# Altium PCB SPEC-A7.PcbDoc (part 9 of 10) (continued)
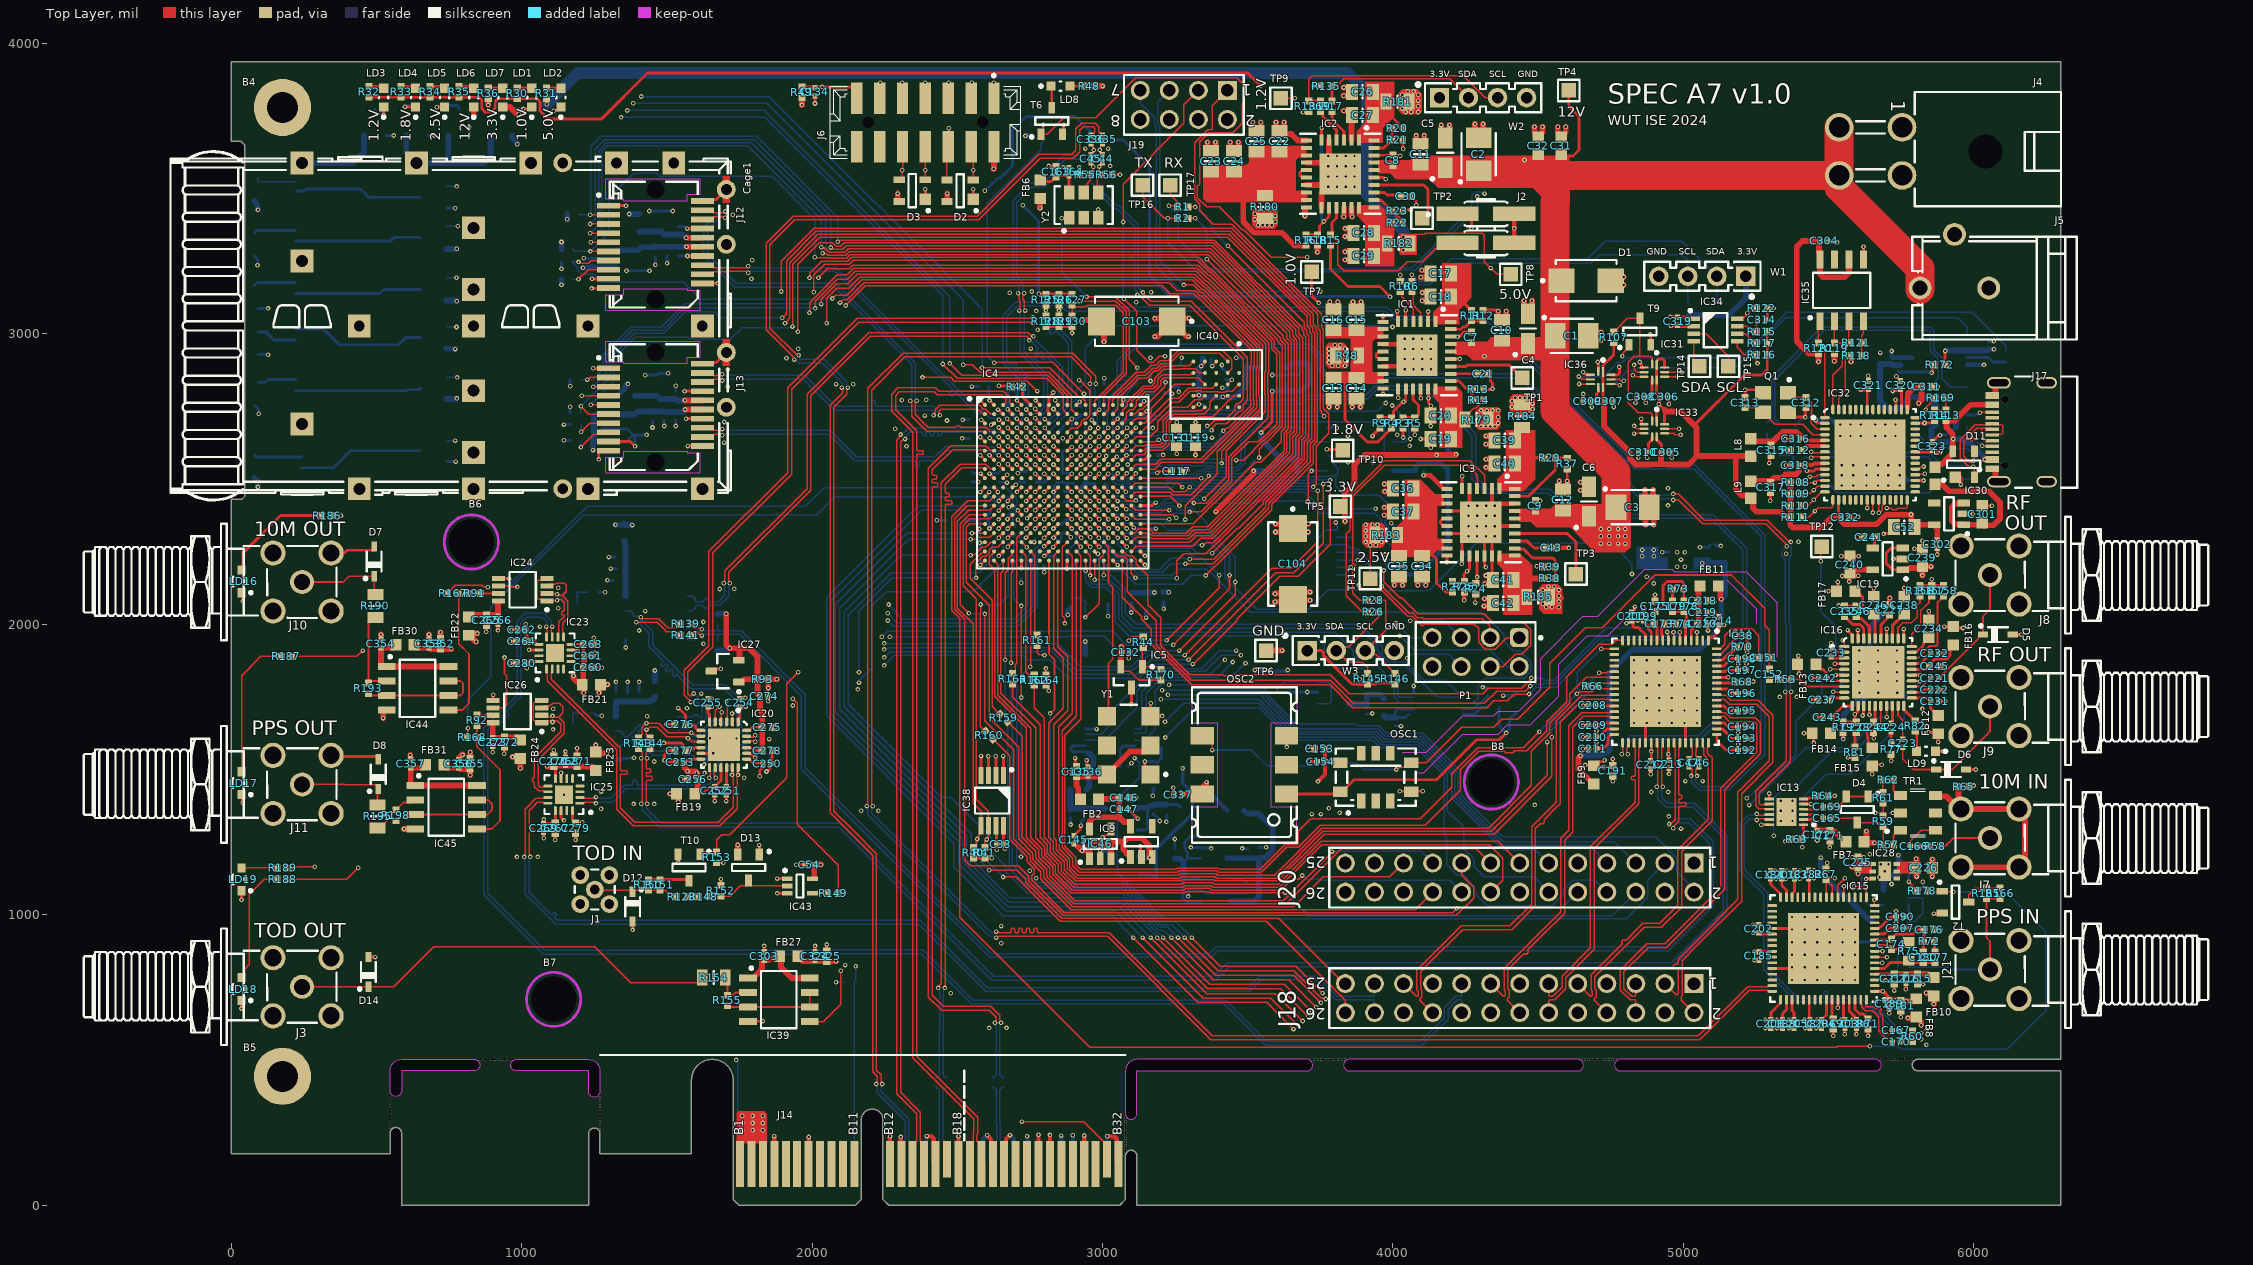
[diagram p0: Top Layer view]
## Nets (pads, with @x,y where several pads share a name; then routed paths per layer and width w, separated by ;. In a path a pad name is that pad's centre, name@x,y a point inside that pad or via, vN(x,y) a via of type N, cw(c..) or ccw(c..) an arc to the next point about the centre after c; other vN are vias at no path point) (continued)
  Bottom Layer w5: v1(1690.63,2672.19) 1693.54,2672.19 1697.94,2667.78 2060.96,2667.78 2096.9,2631.84 2118,2610.74 2135.59,2593.15 2152.75,2575.99 2422.45,2575.99 2457.61,2611.15 2622.98,2611.15 2635.98,2598.15 2654.65,2598.15 2671.08,2581.72 v1(2673.78,2581.72)
SFP1_RS: IC4.R13 J13.7 R103.2 | length 4640.9
  Top Layer w5: v1(1205.63,2662.56) 1235.31,2692.24 J13.7@1299.21,2692.24 ; v1(1906.72,3036.46) 1917.67,3047.41 1917.67,3050.79 1922.63,3055.75 1922.63,3245.31 2019.88,3342.56 ; 2019.88,3342.98 3435.86,3342.98 3715,3063.84 3715,3029.51 3723.43,3021.08 3723.43,3009.26 3729.94,3002.74 3729.94,2635.94 3715,2621 3715,2559.24 3572.46,2416.7 3572.46,2398.82 3381.62,2207.98 3286.42,2207.98 v1(3285.59,2208.81)
  Top Layer w10: IC4.R13@2972.99,2314 2972.99,2313.31 2987.36,2298.94 v1(2987.36,2298.25)
  L3 w5: v1(1205.63,2662.56) 1273.24,2662.56 1358.6,2747.92 1435.69,2747.92 1658.45,2970.69 1682.85,2970.69 1691.91,2979.75 1768.28,2979.75 1826.09,3037.56 1905.62,3037.56 v1(1906.72,3036.46)
  Bottom Layer w5: R103.2@1204.13,2687.56 1205.63,2686.06 v1(1205.63,2662.56) ; v1(2987.36,2298.25) 2987.36,2295.34 2993.8,2288.91 2993.8,2285.04 3049.5,2229.34 3080.6,2229.34 3131.06,2178.88 3146.28,2178.88 3146.77,2178.39 3205.41,2178.39 3235,2207.98 3284.75,2207.98 v1(3285.59,2208.81)
SFP_0.LED: IC4.G16 T7.1 | length 4015.3
  Top Layer w5: v1(2021.93,3193.33) 2052.59,3223.99 2128.58,3223.99 2139.94,3235.35 3330.3,3235.35 3364.37,3201.29 3368.54,3201.29 3591.81,2978.02 3591.81,2953.15 3609.37,2935.59 3609.37,2685.08 3557.09,2632.8 3554.08,2632.8 3486.53,2565.24 v1(3460.55,2565.24)
  Top Layer w10: IC4.G16@3067.48,2565.97 3067.48,2566.71 3082.34,2581.57 v1(3082.34,2582.31)
  L4 w5: v1(776.18,3507.56) 1216.85,3507.56 1342.52,3381.89 1649.61,3381.89 1668.94,3362.56 1852.7,3362.56 v1(2021.93,3193.33)
  Bottom Layer w5: T7.1@741.18,3507.56 v1(776.18,3507.56) ; v1(3082.34,2582.31) 3082.94,2581.72 3122.98,2581.72 3138.3,2566.4 3149.06,2566.4 3149.93,2565.52 3152.6,2565.52 3153.65,2564.48 3166.38,2564.48 3167.43,2565.52 3203.39,2565.52 3205.63,2567.77 3313.36,2567.77 3313.63,2567.49 3365.87,2567.49 3367.48,2569.1 3419.72,2569.1 3423.54,2565.28 3460.52,2565.28 v1(3460.55,2565.24)
SFP_1.LED: IC4.G15 T8.1 | length 4069.7
  Top Layer w5: v1(2049.74,3036.12) 2049.74,3123.08 2084.22,3157.56 2125.95,3157.56 2163.74,3195.35 3313.73,3195.35 3347.8,3161.29 3351.97,3161.29 3551.81,2961.45 3551.81,2876.11 3548.63,2872.92 3548.63,2787.35 3550.4,2785.57 3550.4,2736.51 3409.81,2595.91 v1(3409.81,2553.73)
  Top Layer w10: IC4.G15@3035.98,2565.97 3037.01,2565.97 3046.48,2575.44 3048.44,2575.44 v1(3049.54,2576.54)
  L4 w5: v1(771.18,2632.56) 1035.22,2896.59 1359.31,2896.59 1362.2,2893.7 1598.43,2893.7 1697.28,2992.56 1871.18,2992.56 1891.18,2972.56 1986.18,2972.56 v1(2049.74,3036.12)
  Bottom Layer w5: T8.1@741.46,2634.96 743.86,2632.56 v1(771.18,2632.56) ; v1(3049.54,2576.54) 3049.95,2576.54 3060.61,2565.88 3124.68,2565.88 3134.16,2556.4 3144.92,2556.4 3145.79,2555.52 3148.46,2555.52 3149.5,2554.48 3170.53,2554.48 3171.57,2555.52 3207.53,2555.52 3209.78,2557.77 3304.53,2557.77 3305.9,2556.4 3383.79,2556.4 3386.46,2553.73 v1(3409.81,2553.73)
SYNC_DATA0_N: IC4.A9 IC21.2 R85.1 | length 2153.6
  Top Layer w5: v1(1716.47,2141.73) 1716.47,2144.64 1712.6,2148.51 1712.6,2178.54 1996.06,2462 1996.06,2786.06 2200.87,2990.87 2739.13,2990.87 2745.2,2984.8 2745.2,2979.32 v1(2747.26,2977.26) ; v1@2837.8,2766.09 2847.01,2756.89 IC4.A9@2847.01,2754.95
  Bottom Layer w5: IC21.2@1570.97,2046.42 1587.55,2046.42 1596.86,2055.73 1596.86,2061.99 1599.79,2064.92 1622.03,2064.92 1624.96,2061.99 1624.96,2061.83 1633.88,2052.91 R85.1@1634.67,2052.91 1635.45,2052.91 1644.37,2061.83 1644.37,2061.99 1647.3,2064.92 1681.73,2064.92 1712.6,2095.79 v1@1712.6,2134.95 ; v1@2754.8,2975.2 2760,2970 2768.54,2961.46 2770.31,2959.69 2779.41,2950.59 2779.41,2946.44 2768.61,2935.64 2768.61,2932 2774.07,2926.54 2777.71,2926.54 2788.77,2937.59 2792.41,2937.59 2797.87,2932.13 2797.87,2928.49 2788.84,2919.45 2788.84,2915.81 2794.3,2910.35 2797.94,2910.35 2806.72,2919.13 2810.87,2919.13 2833.7,2896.3 2835.47,2894.53 2850.51,2879.49 2850.51,2782.95 2838.97,2771.41 v1(2836.77,2771.41)
SYNC_DATA0_P: IC4.B9 IC21.1 R85.2 | length 2156.1
  Top Layer w5: v1(1695.72,2141.73) 1695.72,2144.64 1699.6,2148.51 1699.6,2183.92 1983.06,2467.39 1983.06,2791.45 2195.49,3003.87 2744.51,3003.87 2754.4,2993.99 2759.88,2993.99 v1(2761.93,2991.93) ; v1(2831.26,2741.32) 2831.26,2740.26 2847.01,2724.51 IC4.B9@2847.01,2723.45
  Bottom Layer w5: IC21.1@1570.97,2096.42 1587.55,2096.42 1596.86,2087.11 1596.86,2080.85 1599.79,2077.92 1622.03,2077.92 1624.96,2080.85 1624.96,2081 1633.88,2089.92 R85.2@1634.67,2089.92 1635.45,2089.92 1644.37,2081 1644.37,2080.85 1647.3,2077.92 1676.34,2077.92 1699.6,2101.17 v1@1699.6,2134.95 ; v1@2763.99,2984.4 2863.51,2884.87 2863.51,2773.57 v1(2831.26,2741.32)
SYNC_DATA1_N: IC4.C8 IC22.2 R88.1 | length 2882.2
  Top Layer w5: v1(1592.85,1761.75) 1591.61,1761.75 1584.55,1754.69 1578.17,1754.69 1572.23,1760.63 1572.23,1836.01 1650.05,1913.83 1653.86,1917.64 1657.67,1921.45 1657.67,2245.58 1929.13,2517.05 1929.13,2809.13 2160,3040 2753.22,3040 2757.09,3036.13 v1(2760,3036.13) ; v1(2801.14,2706.54) 2801.14,2706.44 2815.51,2692.07 IC4.C8@2815.51,2691.95
  Bottom Layer w5: IC22.2@1535.97,1631.42 1545.28,1640.73 1575.34,1640.73 1578.6,1644 1590.75,1644 R88.1@1599.67,1652.91 1600.45,1652.91 1609.37,1661.83 1609.37,1661.99 1612.3,1664.92 1624.76,1664.92 1635.3,1675.46 1635.3,1719.3 1631.49,1723.11 1627.69,1726.92 1616.83,1737.77 v1(1592.85,1761.75) ; 2768.18,3038.18 2770,3040 2810,3040 2816.73,3033.27 2818.5,3031.5 2827.6,3022.4 2827.6,3018.25 2816.96,3007.61 2816.96,3003.97 2822.42,2998.51 2826.06,2998.51 2836.71,3009.15 2840.85,3009.15 2862.21,2987.79 2863.98,2986.02 2881.62,2968.38 2881.62,2768.36 2838.15,2724.88 2838.07,2724.88 2813.59,2700.4 2809.44,2700.4 2803.3,2706.54 v1(2801.14,2706.54)
SYNC_DATA1_P: IC4.D8 IC22.1 R88.2 | length 2884.7
  Top Layer w5: v1(1582.68,1732.28) 1582.68,1733.5 1574.49,1741.69 1572.79,1741.69 1559.23,1755.25 1559.23,1841.4 1644.67,1926.83 1644.67,2250.97 1916.13,2522.43 1916.13,2814.52 2154.62,3053 2753.22,3053 2757.09,3056.87 v1(2760,3056.87) ; v1(2801.14,2676.21) 2801.14,2675.52 2815.51,2661.15 IC4.D8@2815.51,2660.46
  Bottom Layer w5: IC22.1@1535.97,1681.42 1536.38,1681 1590.75,1681 R88.2@1599.67,1689.92 1600.45,1689.92 1609.37,1681 1609.37,1680.85 1612.3,1677.92 1619.37,1677.92 1622.3,1680.85 1622.3,1713.92 1603.83,1732.39 1582.78,1732.39 v1(1582.68,1732.28) ; 2768.18,3054.82 2770,3053 2815.38,3053 2894.62,2973.76 2894.62,2762.97 2843.53,2711.88 2843.45,2711.88 2818.97,2687.4 2810.76,2687.4 2801.14,2677.79 v1(2801.14,2676.21)
TOD_IN: IC4.P4 R149.2 | length 1919.2
  Top Layer w5: v3(1933.07,1744.09) 1948.82,1728.35 1948.82,1311.19 2090.5,1169.5 R149.2@2090.5,1074
  Top Layer w10: v1(2673.78,2329.75) IC4.P4@2689.53,2345.5
  L4 w5: v3(1933.07,1744.09) 1988.19,1799.21 v3(2161.42,1799.21)
  Bottom Layer w5: 2161.97,1807.09 2205,1850.12 2205,2062.98 2254.5,2112.48 2554.5,2112.48 2657.66,2215.64 2657.66,2313.63 v1(2673.78,2329.75)
TOD_OUT: IC4.V8 IC39.5 | length 2153.4
  Top Layer w6: IC39.5@1991.65,632.58 1993.1,631.13 2038.16,631.13 2098.43,691.4 v1(2098.43,807.09) ; IC4.V8@2815.51,2219.51 2815.51,1897.47 2834.91,1878.07 2834.91,1707.88 v1(2820,1692.98)
  L4 w6: v1(2098.43,807.09) 2405.51,807.09 v1(2749.57,1151.14)
  Bottom Layer w6: v1(2749.57,1151.14) 2749.57,1152.55 2820,1222.98 v1(2820,1692.98)
TX: IC4.R17 R2.2 | length 1618.4
  Top Layer w5: IC4.R17@3098.98,2314 3100.66,2315.68 3111.8,2315.68 3124.51,2328.39 3162.84,2328.39 3176.99,2314.25 3288.84,2314.25 3310.09,2335.5 3362.27,2335.5 3625,2598.23 3625,2658.28 3639.37,2672.66 3639.37,2966.03 3621.81,2983.59 3621.81,2993.87 v1(3359.02,3256.66) ; R2.2@3294.09,3397.64 v1(3318.9,3397.64)
  Bottom Layer w5: v1(3318.9,3397.64) 3359.02,3357.51 v1(3359.02,3256.66)
TXD_USB: IC36.4 R1.1 R171.2 TP17.1 | length 3918.6
  Top Layer w5: v1(3228.35,3440.95) 3253.15,3440.95 R1.1@3257.09,3437.01 3257.09,3455.51 3232.28,3480.32 TP17.1@3232.28,3511.81 ; v1(4640,2852.98) 4650,2842.98 IC36.4@4679.57,2842.98
  L4 w5: v1(4315,3482.98) 4419.63,3378.35 4423.81,3378.35 4432.81,3369.35 4432.81,3365.16 4639.63,3158.35 4639.63,2853.35 v1(4640,2852.98)
  Bottom Layer w5: v1(3228.35,3440.95) 3259.84,3409.45 3259.84,3326.77 3363.64,3222.98 4009.12,3222.98 4014.49,3228.35 4066.93,3228.35 4271.65,3433.07 4271.65,3476.37 4283.63,3488.35 4296.37,3488.35 4299.69,3485.03 4312.94,3485.03 v1(4315,3482.98) ; v1(4640,2852.98) 4640.37,2852.6 4724.28,2852.6 4773.02,2901.34 4790.11,2901.34 4807.12,2918.35 5199.38,2918.35 5355.85,3074.82 5994.09,3074.82 6110.24,2958.68 R171.2@6110.24,2939.76
USB_D_R_N: D11.3 IC32.7 J17.A7 J17.B7 R176.1 | length 1052.9
  Top Layer w5: v1@5446.78,2590.2 5471.05,2590.2 5474.39,2593.54 IC32.7@5487.06,2593.54 ; v1@5992.13,2557.68 5985.63,2557.68 5968.5,2574.8 5965.24,2578.07 5965.24,2630.59 5976.11,2641.47 5980.25,2641.47 5990.18,2631.54 5993.82,2631.54 5999.29,2637 5999.29,2640.64 5989.36,2650.57 5989.36,2654.71 5994.59,2659.94 6009.25,2674.6 6026.94,2674.6 ; v1(5997.49,2563.31) 5997.49,2566.22 6001.97,2570.69 D11.3@6001.97,2596.46 ; J17.B7@6063.39,2631.89 6060.04,2635.23 6033.25,2635.23 6027.56,2640.92 6027.56,2673.98 6026.94,2674.6 ; J17.A7@6063.39,2671.26 6060.04,2674.6 6026.94,2674.6
  Bottom Layer w5: R176.1@5416.14,2610.24 5416.14,2609.45 5429.46,2596.13 5437.94,2596.13 v1(5440,2594.08) 5442.91,2594.08 5446.78,2590.2 5846.16,2590.2 5876.93,2559.43 5910.12,2559.43 5912.62,2559.43 5915.55,2562.36 5915.55,2588.62 5918.12,2591.19 5925.85,2591.19 5928.42,2588.62 5928.42,2562.36 5931.35,2559.43 5964.57,2559.43 5990.71,2559.43 5994.58,2563.31 v1(5997.49,2563.31) v1@6000.4,2563.31
USB_D_R_P: D11.2 IC32.8 J17.A6 J17.B6 R174.1 | length 1042.9
  Top Layer w5: v1@5446.78,2577.2 5471.05,2577.2 5474.39,2573.86 IC32.8@5487.06,2573.86 ; D11.2@6001.97,2505.91 6001.97,2535.17 5997.49,2539.65 v1(5997.49,2542.56) 5997.24,2542.81 5982.12,2542.81 5952.24,2572.68 5952.24,2635.98 6003.86,2687.6 6060.04,2687.6 J17.B6@6063.39,2690.94 6066.79,2687.54 6096.46,2687.54 6099.39,2684.61 6099.39,2656.47 6096.46,2653.54 6065.35,2653.54 J17.A6@6063.39,2651.57 J17.A6@6060.04,2648.23
  Bottom Layer w5: R174.1@5416.14,2574.8 5417.62,2573.33 v1(5440,2573.33) 5442.91,2573.33 5446.78,2577.2 5840.78,2577.2 5871.54,2546.43 5990.71,2546.43 5994.58,2542.56 v1(5997.49,2542.56) v1@5997.71,2542.34
USB_TCK: IC31.9 IC32.12 R108.1 | length 787.5
  Top Layer w5: IC31.9@4935.43,2867.98 4969.12,2867.98 4969.49,2868.35 4994.63,2868.35 v1(4995,2867.98) ; R108.1@5405.57,2488.54 5406.13,2487.98 v1(5452.67,2487.98) 5459.81,2495.12 IC32.12@5487.06,2495.12
  L4 w5: v1(4995,2867.98) 5053.28,2867.98 5201.86,2719.4 5201.86,2685.84 5233.78,2653.93 5238.61,2653.93 5290.64,2601.9 5290.64,2595.64 5320.65,2565.63 5320.65,2557.96 5346.57,2532.04 5389.46,2532.04 5433.52,2487.98 v1(5452.67,2487.98)
USB_TDI_DO: IC31.8 IC32.13 R109.1 | length 788.5
  Top Layer w5: IC31.8@4935.43,2852.23 4935.81,2852.6 4979.63,2852.6 v1(4980,2852.98) ; R109.1@5405.57,2448.54 5435.57,2448.54 v1(5449.01,2461.99) 5462.46,2475.43 IC32.13@5487.06,2475.43
  L4 w5: v1(4980,2852.98) 4980.37,2852.6 5041.24,2852.6 5183.46,2710.39 5183.46,2690.11 5229.63,2643.93 5234.46,2643.93 5280.64,2597.75 5280.64,2591.5 5310.65,2561.49 5310.65,2553.82 5342.43,2522.04 5376.05,2522.04 5434.05,2464.05 5446.95,2464.05 v1(5449.01,2461.99)
USB_TDO_DI: IC32.14 IC33.9 R110.1 | length 718.2
  Top Layer w5: IC33.9@4935.43,2672.98 v1(4985,2672.98) ; R110.1@5405.57,2408.54 5428.23,2408.54 v1(5448.82,2429.13) 5475.43,2455.75 IC32.14@5487.06,2455.75
  L4 w5: v1(4985,2672.98) 5122.81,2672.98 5287.81,2507.98 5374.68,2507.98 5445.3,2437.36 5445.3,2435.56 5448.82,2432.04 v1(5448.82,2429.13)
USB_TMS: IC32.15 IC33.8 R111.1 | length 774
  Top Layer w5: IC33.8@4935.43,2657.23 4965.75,2657.23 4970,2652.98 4989.9,2652.98 v1(4990.03,2652.85) ; R111.1@5405.57,2368.54 5431.54,2368.54 5464.57,2401.57 5508.48,2401.57 5513.68,2406.78 5513.68,2427.25 IC32.15@5514.62,2428.19
  L4 w5: v1@4990,2652.98 5128.67,2652.98 5293.67,2487.98 5350.97,2487.98 5445.1,2393.85 5445.76,2393.85 5449.85,2389.76 v1(5452.76,2389.76)
VBUS: C300.2 C331.2 D11.4 IC29.12 J17.A4-B9 J17.B4-A9 L7.1 R113.1 | length 1189.6
  Top Layer w20: L7.1@5866.14,2541.34 5875.83,2551.02 5889.61,2551.02 5927.17,2588.58 D11.4@5927.17,2596.46 5927.17,2655.51 5905.51,2677.17 5905.51,2699.24 5904.09,2700.65 R113.1@5903.82,2700.65 5905.24,2702.07 5934.36,2702.07 5988.19,2755.91 J17.B4-A9@6063.39,2755.91 ; v1(6037.18,2567.27) 6063.04,2567.27 J17.A4-B9@6063.39,2566.93
  Bottom Layer w20: IC29.12@5746.93,2893.01 5719.19,2893.01 C331.2@5716.54,2895.67 C300.2@5677.17,2895.67 5677.17,2767.72 5704.72,2740.16 5740.16,2740.16 5783.46,2783.46 5838.58,2783.46 5870.08,2751.97 5870.08,2688.98 5854.33,2673.23 5854.33,2639.45 5866.05,2627.74 5919.07,2627.74 v1(5929.13,2637.8) 5956.69,2637.8 5970.69,2623.8 5987.56,2623.8 6037.18,2574.18 v1(6037.18,2567.27)
VCCADC: C105.2 C106.2 IC4.J10 L2.1 | length 130.6
  Top Layer w10: IC4.J10@2878.5,2502.98 v1(2894.25,2518.73)
  Bottom Layer w10: L2.1@2863.57,2596.11 2862.79,2595.33 2862.79,2520.21 2863.03,2519.97 2893.01,2519.97 v1(2894.25,2518.73)
VCCBRAM: C17.2 C18.2 IC1.1 IC1.32 R11.2 | length 51.5
  Top Layer w10: 4235,3117.98 4235,3115.69 4269.21,3081.48 R11.2@4270,3081.48
VTT: C274.2 C275.2 C276.2 C277.2 C278.2 C279.2 C280.2 IC20.7 IC20.10 IC20.21 IC20.24 IC23.16 IC25.16 IC27.1 IC27.2 R86.2 R87.2 R89.2 R90.2 R93.1 | length 2862.4
  Top Layer w10: v1(1017.8,1848.66) C280.2@1017.8,1866.38 1023.19,1871.77 1059.88,1871.77 IC23.16@1059.96,1871.85 ; IC25.16@1175.2,1358.27 1175.2,1326.57 C279.2@1185.67,1316.1 1187.23,1317.66 1207.29,1317.66 v1(1208.39,1318.76) ; v1(1489.67,1591.42) 1549.67,1591.42 1556.54,1584.55 1556.54,1572.41 C277.2@1563.74,1565.2 1569.26,1570.72 1590.95,1570.72 1595.59,1575.36 IC20.10@1617.29,1575.36 ; v1(1539.67,1711.42) 1563.74,1687.34 C276.2@1563.74,1655.2 1590.95,1655.2 1598.02,1648.13 1598.02,1644.33 1607.93,1634.42 IC20.7@1617.29,1634.42 ; IC20.21@1774.77,1575.36 1775.11,1575.02 1791.07,1575.02 1800.88,1565.2 C278.2@1828.31,1565.2 ; IC20.24@1774.77,1634.42 1785.1,1634.42 1795.89,1645.2 C275.2@1828.31,1645.2
  Top Layer w20: v1(1704.67,2036.42) 1704.67,1929.19 v1(1716.54,1917.32) 1750,1917.32 ; IC27.1@1748.03,1801.18 1755.91,1801.18 1765.75,1811.02 1811.42,1811.02 R93.1@1812.2,1810.24 ; IC27.2@1748.03,1875.98 1748.19,1875.98 1750,1877.8 1750,1917.32 ; C278.2@1828.31,1565.2 C275.2@1828.31,1645.2 1828.31,1695.31 1820.87,1702.76 C274.2@1820.87,1751.97 1812.2,1760.63 R93.1@1812.2,1810.24 ; 1750,1917.32 1783.46,1917.32 1812.2,1888.58 R93.1@1812.2,1811.02 R93.1@1812.2,1810.24
  L3 w20: v1(1489.67,1591.42) 1525.08,1626.83 1525.08,1696.83 v1(1539.67,1711.42) 1539.67,1806.42 1650.57,1917.32 v1(1716.54,1917.32)
  L4 w20: v1(1017.8,1848.66) 1038.9,1848.66 1296.14,1591.42 ; v1(1208.39,1318.76) 1208.39,1503.66 1296.14,1591.42 ; v1(1628.06,1517.24) 1563.85,1517.24 v1(1489.67,1591.42) 1296.14,1591.42
  Bottom Layer w10: v1@1629.16,1516.14 v1(1628.06,1517.24) 1628.06,1518.79 1629.67,1520.4 1629.67,1522.13 1638.17,1530.63 R90.2@1638.17,1531.42 R89.2@1638.17,1581.42
  Bottom Layer w20: R87.2@1674.67,1907.91 1676.08,1909.33 1708.54,1909.33 v1(1716.54,1917.32) ; R86.2@1674.67,2034.92 1676.08,2036.34 1704.59,2036.34 v1(1704.67,2036.42)
VUSB_PRESENT: IC32.11 R169.2 | length 1132.1
  Top Layer w5: v1(5434.68,2508.56) 5456.25,2508.56 5462.5,2514.8 IC32.11@5487.06,2514.8 ; v1(5833.82,2739.16) 5835.88,2741.22 5835.88,2747.29 5867.32,2778.74 R169.2@5867.32,2779.53
  Bottom Layer w5: v1(5434.68,2508.56) 5475.69,2508.56 5531.5,2452.76 5846.46,2452.76 5893.7,2500 5988.19,2500 6019.69,2531.5 6019.69,2564 6016.76,2566.93 6015.61,2566.93 5976.24,2606.3 5909.45,2606.3 5905.51,2610.24 5850.39,2610.24 5803.15,2657.48 5803.15,2688.98 5833.82,2719.65 v1(5833.82,2739.16)
pads on no net: B4.1 B5.1 B6.1 B7.1 B8.1 IC4.B12 IC4.C9 IC4.C11 IC4.C12 IC4.C14 IC4.D9 IC4.D11 IC4.H16 IC4.J4 IC4.J5 IC4.J6 IC4.K3 IC4.L5 IC4.M5 IC4.R7 IC4.T7 IC4.U7 IC4.V7 IC8.4 IC9.4 IC11.4 IC12.4 IC14.2 IC14.13 IC14.14 IC14.15 IC14.18 IC14.19 IC14.20 IC15.2 IC15.13 IC15.14 IC15.15 IC15.18 IC15.19 IC15.20 IC15.25 IC15.26 IC15.28 IC15.29 IC15.33 IC15.34 IC15.35 IC15.36 IC15.39 IC15.40 IC15.42 IC15.43 IC15.45 IC15.46 IC15.52 IC15.53 IC15.55 IC15.56 IC18.4 IC23.3 IC23.4 IC23.5 IC23.6 IC23.15 IC23.17 IC25.3 IC25.4 IC25.5 IC25.6 IC25.15 IC25.17 IC28.4 IC29.2 IC29.6 IC29.7 IC29.10 IC29.14 IC29.15 IC29.16 IC30.4 IC32.17 IC32.18 IC32.19 IC32.20 IC32.25 IC32.26 IC32.27 IC32.29 IC32.30 IC32.34 IC32.35 IC32.37 IC32.38 IC32.39 IC32.40 IC32.42 IC32.46 IC32.47 IC32.48 IC32.49 IC32.51 IC32.52 IC32.53 IC32.54 IC35.7 IC37.2 IC37.3 IC37.5 IC37.6 IC37.7 IC40.A2 IC40.A5 IC40.B5 IC40.C2 IC40.C5 IC41.4 J4.5 J6.12 J6.14 J6.15 J6.16 J12.MTG1 J12.MTG2 J13.MTG1 J13.MTG2 J14.A5 J14.A6 J14.A7 J14.A8 J14.A9 J14.A10 J14.A19 J14.A25 J14.A26 J14.A29 J14.A30 J14.A32 J14.B5 J14.B6 J14.B8 J14.B9 J14.B10 J14.B11 J14.B17 J14.B23 J14.B24 J14.B27 J14.B28 J14.B30 J17. J17.A8 J17.B8 LD10.3 LD11.3 LD12.3 LD13.3 LD14.3 LD15.3 LD16.3 LD17.3 LD18.3 LD19.3 OSC1.1 OSC1.2 OSC1.3 OSC1.6 OSC1.7 OSC1.8 OSC2.2 OSC2.5 TR1.5 Y1.5 Y2.2
copper on no net:
  other v2: 1145.67,1413.39

## Polygon pours and split planes (outlines as drawn)
P3V3 on L3 "NONET_L-01_P-001" (solid, pour order 17): 55.12,3917.32 6279.53,3917.32 6279.53,523.62 6275.59,527.56 5771.63,527.56 5771.63,570.84 5905.51,704.72 5905.51,960.63 5677.17,1188.98 5279.53,1188.98 5181.1,1090.55 5181.1,645.67 5259.84,566.93 5771.63,566.93 5771.63,527.56 19.68,527.56 19.68,1350.39 4417.32,1350.39 4551.18,1484.25 5165.35,1484.25 5244.09,1562.99 5244.09,1787.4 5370.08,1787.4 5370.08,1637.8 5547.24,1460.63 5767.72,1460.63 5988.19,1681.1 5988.19,1968.5 5722.17,2234.53 5543.75,2234.53 5543.75,2224.86 5370.08,2051.18 5370.08,1787.4 5244.09,1787.4 5235,1796.5 5235,1957.91 5149.61,2043.31 4759.84,2043.31 4631.89,1915.35 4614.17,1933.07 4614.17,2220.47 4677.17,2283.46 4677.17,2850.39 4437.01,3090.55 3185.04,3090.55 2866.14,2771.65 2866.14,2692.91 2905,2654.06 2905,2335.16 2929.13,2311.02 3015.75,2311.02 3137.8,2433.07 3842.52,2433.07 3858.27,2417.32 3858.27,2259.84 3980.31,2137.8 4614.17,2137.8 4614.17,1897.64 4614.17,1515.75 4633.86,1496.06 4633.86,1476.38 4566.93,1476.38 4440.94,1350.39 55.12,1350.39
P2V5 on L3 "NetC18_2" (solid, remove dead copper, pour order 2): 4169.3,2421.25 3905.5,2421.25 3866.14,2381.89 3866.14,2259.84 3980.32,2145.67 4531.5,2145.67 4673.23,2287.4 4673.23,2842.52 4432.77,3082.98 3190,3082.98 2875,2767.98 2875,2697.98 2894.85,2678.13 2939.85,2678.13 2995,2622.98 2995,2597.98 3020,2572.98 3160,2572.98 3355,2767.98 4365.88,2767.98 4385.83,2748.03 4385.83,2637.77
NetC191_2 on L3 "NetC18_2" (solid, remove dead copper, pour order 1): 5145,2037.98 5235,1947.98 5235,1567.98 5160,1492.98 4650,1492.98 4620,1522.98 4620,1897.98 4760,2037.98
P1V8 on L3 "NetC18_2" (solid, remove dead copper, pour order 6): 4362.24,2752.98 4377.69,2737.53 4377.69,2649.34 4166.32,2437.98 3129.44,2437.98 3009.44,2317.98 2930,2317.98 2905,2342.98 2905,2647.98 2915,2657.98 2915,2662.98 2930,2662.98 2995,2597.98 2995,2587.98 3010,2572.98 3170,2572.98 3350,2752.98
NetC181_2 on L3 "NetC18_2" (solid, remove dead copper, pour order 9): 5279.03,1179.79 5189.03,1089.79 5189.03,649.79 5269.03,569.79 5764.03,569.79 5897.64,703.39 5897.64,956.18 5674.03,1179.79 5284.03,1179.79
P3V3LMX on L3 "NetC18_2" (solid, remove dead copper, pour order 8): 5377.95,1637.8 5551.18,1464.57 5763.84,1464.57 5984.25,1684.98 5984.25,1960.63 5717.08,2227.8 5562.45,2227.8 5377.95,2043.31
P12V0 on L4 "NetC18_2" (solid, remove dead copper, pour order 7): 2153.54,242.98 2153.54,314.96 2185.04,346.46 2228.35,346.46 2258.29,316.51 2258.29,243.48 2257.79,242.98 2930,242.98 3040,352.98 3040,492.98 3110,562.98 3555,562.98 3880,887.98 4590,887.98 4820,1117.98 4820,2347.98 4575,2347.98 4575,1422.98 4415,1262.98 3715,1262.98 3550,1107.98 3345,902.98 2985,902.98 2670,587.98 1905,587.98 1740,422.98 1740,242.98
P3V6_CLK on L4 "NetC18_2" (solid, remove dead copper, pour order 10): 4598.43,2803.15 4389.76,2803.15 4350.39,2763.78 4350.39,2623.37 4330,2602.98 4330,2223.7 3964.57,1854.33 3244.09,1854.28 3244.09,1342.98 4295,1342.98 4540,1587.98 4540,2350.39 4574.8,2385.83 4822.83,2385.83 4846.46,2362.2 4846.46,1484.25 5204.33,1126.38 5714.5,1122.05 5726.38,1122.05 5726.38,1147.64 5674.13,1199.88 5500,1374.02 5500,1452.76 5972.73,1925.49 5974.41,2202.76 5895.67,2281.5 5450.79,2281.5 5098.43,2633.86 4767.72,2633.86
P1V0 on L4 "NetC18_2" (solid, remove dead copper, pour order 0): 2740,2407.98 2840,2307.98 3365,2307.98 3475,2197.98 3737.35,2197.98 3925,2385.63 3925,3002.98 3820,3107.98 3055,3107.98 2740,2792.98
MGTAVTT on L4 "NetC18_2" (solid, remove dead copper, pour order 12): 4081.9,3862.98 4106.3,3838.58 4106.3,3744.09 4059.06,3696.85 4013.87,3696.85 3780,3462.98 3070,3462.98 2650,3042.98 2650,2597.98 2620,2567.98 2514.02,2567.98 2424,2658 2424,3106.98 3000,3682.98 3455,3682.98 3635,3862.98
P3V3PLL2 on L4 "NetC18_2" (solid, remove dead copper, pour order 16): 5511.81,1381.89 5720.47,1173.23 5720.47,578.74 5755.91,543.31 5811.02,543.31 5901.57,633.86 5901.57,1275.59 5720.47,1456.69 5551.18,1456.69 5511.81,1417.32
MGTAVCC on L4 "NetC18_2" (solid, remove dead copper, pour order 11): 2730,2597.98 2730,2812.98 3055,3137.98 3555,3137.98 3705,3287.98 3705,3422.98 3670,3457.98 3105,3457.98 2655,3007.98 2655,2597.98
NetC250_2 on L4 "NetC18_2" (solid, remove dead copper, pour order 15): 1791.34,1740.16 1843.04,1688.45 1843.04,1472.97 1811.02,1440.94 1590.55,1440.94 1559.06,1472.44 1559.06,1681.1 1618.11,1740.16
GND on L2 (split plane): 369 vertices, not listed, extent 20.1,20.07 6279.12,3916.89
GND on L5 (split plane): 364 vertices, not listed, extent 20.1,20.07 6279.12,3916.89

## Keep-outs
Top Layer:
  lines w3.94: 4031.5,1559.06 4114.17,1559.06 4240.16,1685.04 4346.46,1685.04 4362.2,1700.79 4433.07,1700.79 4507.87,1775.59 4507.87,1881.89 4653.54,2027.56 4704.72,2027.56 4866.14,2188.98 4960.63,2188.98 4968.5,2181.1 5216.54,2181.1 5322.83,2074.8 5322.83,1885.83 ; 4082.68,1488.19 4106.3,1488.19 4240.16,1622.05 4362.2,1622.05 4393.7,1653.54 4472.44,1653.54 4570.87,1751.97 4570.87,1862.2 4669.29,1960.63 4740.16,1960.63 4795.28,2015.75 4795.28,2035.43 ; 5149.61,2153.54 5251.97,2051.18 5251.97,2003.94
Bottom Layer:
  lines w3.94: 3334.65,1543.31 3334.65,1586.61 3354.33,1606.3 3531.5,1606.3 3574.8,1562.99 3909.45,1562.99 3937.01,1535.43 4035.43,1535.43 4051.18,1519.68 4051.18,1464.57 4035.43,1448.82 3858.27,1448.82 3818.9,1488.19 3511.81,1488.19 3472.44,1527.56 3350.39,1527.56 3334.65,1543.31
Keep-Out Layer:
  circle w10: c1110.24,708.66 r93.24
  circle w10: c4338.58,1456.69 r93.24
  circle w10: c826.77,2283.46 r93.24

## Other copper
Top Layer:
  rectangle net P5V0: 4022.17,3271.65 4082.68,3345.83
  rectangle net NetC13_2: 3775.59,2830.71 3881.89,2870.08
  rectangle net NetC13_2: 3767.72,2984.25 3906.19,3023.53
  region net P3V6_CLK: 4401.57,2720.47 4409.45,2712.6 4472.44,2712.6 4488.19,2728.35 4488.19,2779.53 4476.38,2791.34 4413.39,2791.34 4401.57,2779.53
  region net P2V5: 3901.58,2350.39 3893.7,2342.52 3893.7,2279.53 3909.45,2263.78 3960.63,2263.78 3972.44,2275.59 3972.44,2338.58 3960.63,2350.39
  region net P1V8: 4370.08,2740.16 4362.2,2748.03 4299.21,2748.03 4283.46,2732.28 4283.46,2681.1 4295.28,2669.29 4358.27,2669.29 4370.08,2681.1
  region net MGTAVCC: 3602.36,3433.07 3594.49,3440.94 3531.5,3440.95 3515.75,3425.2 3515.75,3374.02 3527.56,3362.2 3590.55,3362.2 3602.36,3374.02
  region net P1V0: 3838.58,2881.89 3846.46,2889.76 3846.46,2952.76 3830.71,2968.5 3779.53,2968.5 3767.72,2956.69 3767.72,2893.7 3779.53,2881.89
  region net MGTAVTT: 4090.55,3755.91 4098.43,3763.78 4098.43,3826.77 4082.68,3842.52 4031.5,3842.52 4019.69,3830.71 4019.69,3767.72 4031.5,3755.91
  region net P3V3: 4566.93,2137.8 4582.68,2122.05 4582.68,2035.43 4519.69,2035.43 4503.94,2051.18 4503.94,2125.98 4515.75,2137.8
  region net P3V6_CLK: 5649.12,1181.71 5589.95,1181.71 5589.95,1142.76 5649.12,1142.76
  region net P3V3PLL2: 5736.71,1181.71 5795.88,1181.71 5795.88,1142.76 5736.71,1142.76
  region net NetC34_2: 4175,2447.98 4145,2447.98 4095,2497.98 4040,2497.98 4040,2362.98 4005,2327.98 3996.06,2327.98 3996.06,2232.98 4130,2232.98 4151.56,2254.54 4175,2254.54 4175,2294.06 4151.56,2294.06 4151.56,2407.98 4175,2407.98
  region net NetC19_2: 4218.95,2818.53 4143.95,2818.53 4138.95,2813.53 4138.95,2783.53 4160,2762.48 4160,2608.53 4238.95,2608.53 4238.95,2783.53 4238.95,2798.53
  region net NetC41_2: 4438.95,2243.53 4363.95,2243.53 4358.95,2238.53 4358.95,2208.53 4380,2187.48 4380,2033.53 4480,2033.53 4480,2202.48
  region net P12V0: 1740,212.98 1740.13,213.11 1844.15,213.11 1844.15,313.83 1835,322.98 1745,322.98 1740,317.98
  region net VCCBRAM: 4143.95,3033.53 4138.95,3038.53 4138.95,3073.53 4168.95,3103.53 4168.95,3243.53 4268.95,3243.53 4268.95,3123.53 4228.95,3083.53 4228.95,3033.53
  region net P12V0: 4213.95,2973.53 4323.95,2973.53 4338.95,2988.53 4598.52,2988.53 4598.52,2908.53 4388.95,2908.53 4273.95,2908.53 4253.95,2928.53 4213.95,2928.53
  region net P12V0: 4609.45,2333.53 4695,2247.98 4800,2247.98 4817.72,2265.7 4817.72,2413.53 4558.95,2413.53 4543.95,2398.53 4433.95,2398.53 4433.95,2353.53 4473.95,2353.53 4493.95,2333.53
  region net NetC39_2: 4363.95,2458.53 4358.95,2463.53 4358.95,2498.53 4388.95,2528.53 4388.95,2668.53 4488.95,2668.53 4488.95,2498.53 4448.95,2458.53
  region net NetC13_2: 3965.68,3015.89 3958.04,3023.53 3854.33,3023.53 3854.33,2828.53 3968.95,2828.53 3968.95,2868.53 3928.95,2868.53 3928.95,2973.53 3938.95,2983.53 3965.68,2983.53
  region net NetC22_2: 3505,3590.55 3497.13,3582.68 3346.46,3582.68 3346.46,3464.57 3358.05,3452.98 3705,3452.98 3705,3492.98 3665,3492.98 3665,3597.98 3675,3607.98 3701.73,3607.98 3701.73,3640.34 3694.09,3647.98 3505,3647.98
  region net NetC28_2: 3955,3442.98 3880,3442.98 3875,3437.98 3875,3407.98 3905,3377.98 3905,3232.98 4005,3232.98 4005,3377.98 3975,3407.98 3975,3422.98
  region net NetC26_2: 3880,3657.98 3875,3662.98 3875,3697.98 3905,3727.98 3905,3867.98 4005,3867.98 4005,3747.98 3965,3707.98 3965,3657.98
  region net P12V0: 3950,3597.98 4060,3597.98 4075,3612.98 4607.6,3612.98 4607.6,3502.57 4155.41,3502.57 4125,3532.98 4010,3532.98 3990,3552.98 3950,3552.98
Bottom Layer:
  region net P3V3PLL1: 5035.43,2190.76 5094.61,2190.76 5094.61,2229.7 5035.43,2229.7
  region net P3V6_CLK: 4945.31,2190.69 4945.32,2229.86 4927.62,2229.86 4915.33,2242.15 4915.33,2267.06 4839.61,2267.06 4839.61,2190.69
  region net P12V0: 1775,212.98 1845,212.98 1845,312.98 1835,322.98 1785,322.98 1775,312.98
L2 (plane layer: these items are gaps in the copper):
  rectangle: 1736.22,0 3066.93,228.35
L5 (plane layer: these items are gaps in the copper):
  rectangle: 1728.35,-3.94 3078.74,224.41